# Altium PCB AD-FMComms3_revA.PcbDoc (part 5 of 5) (continued)
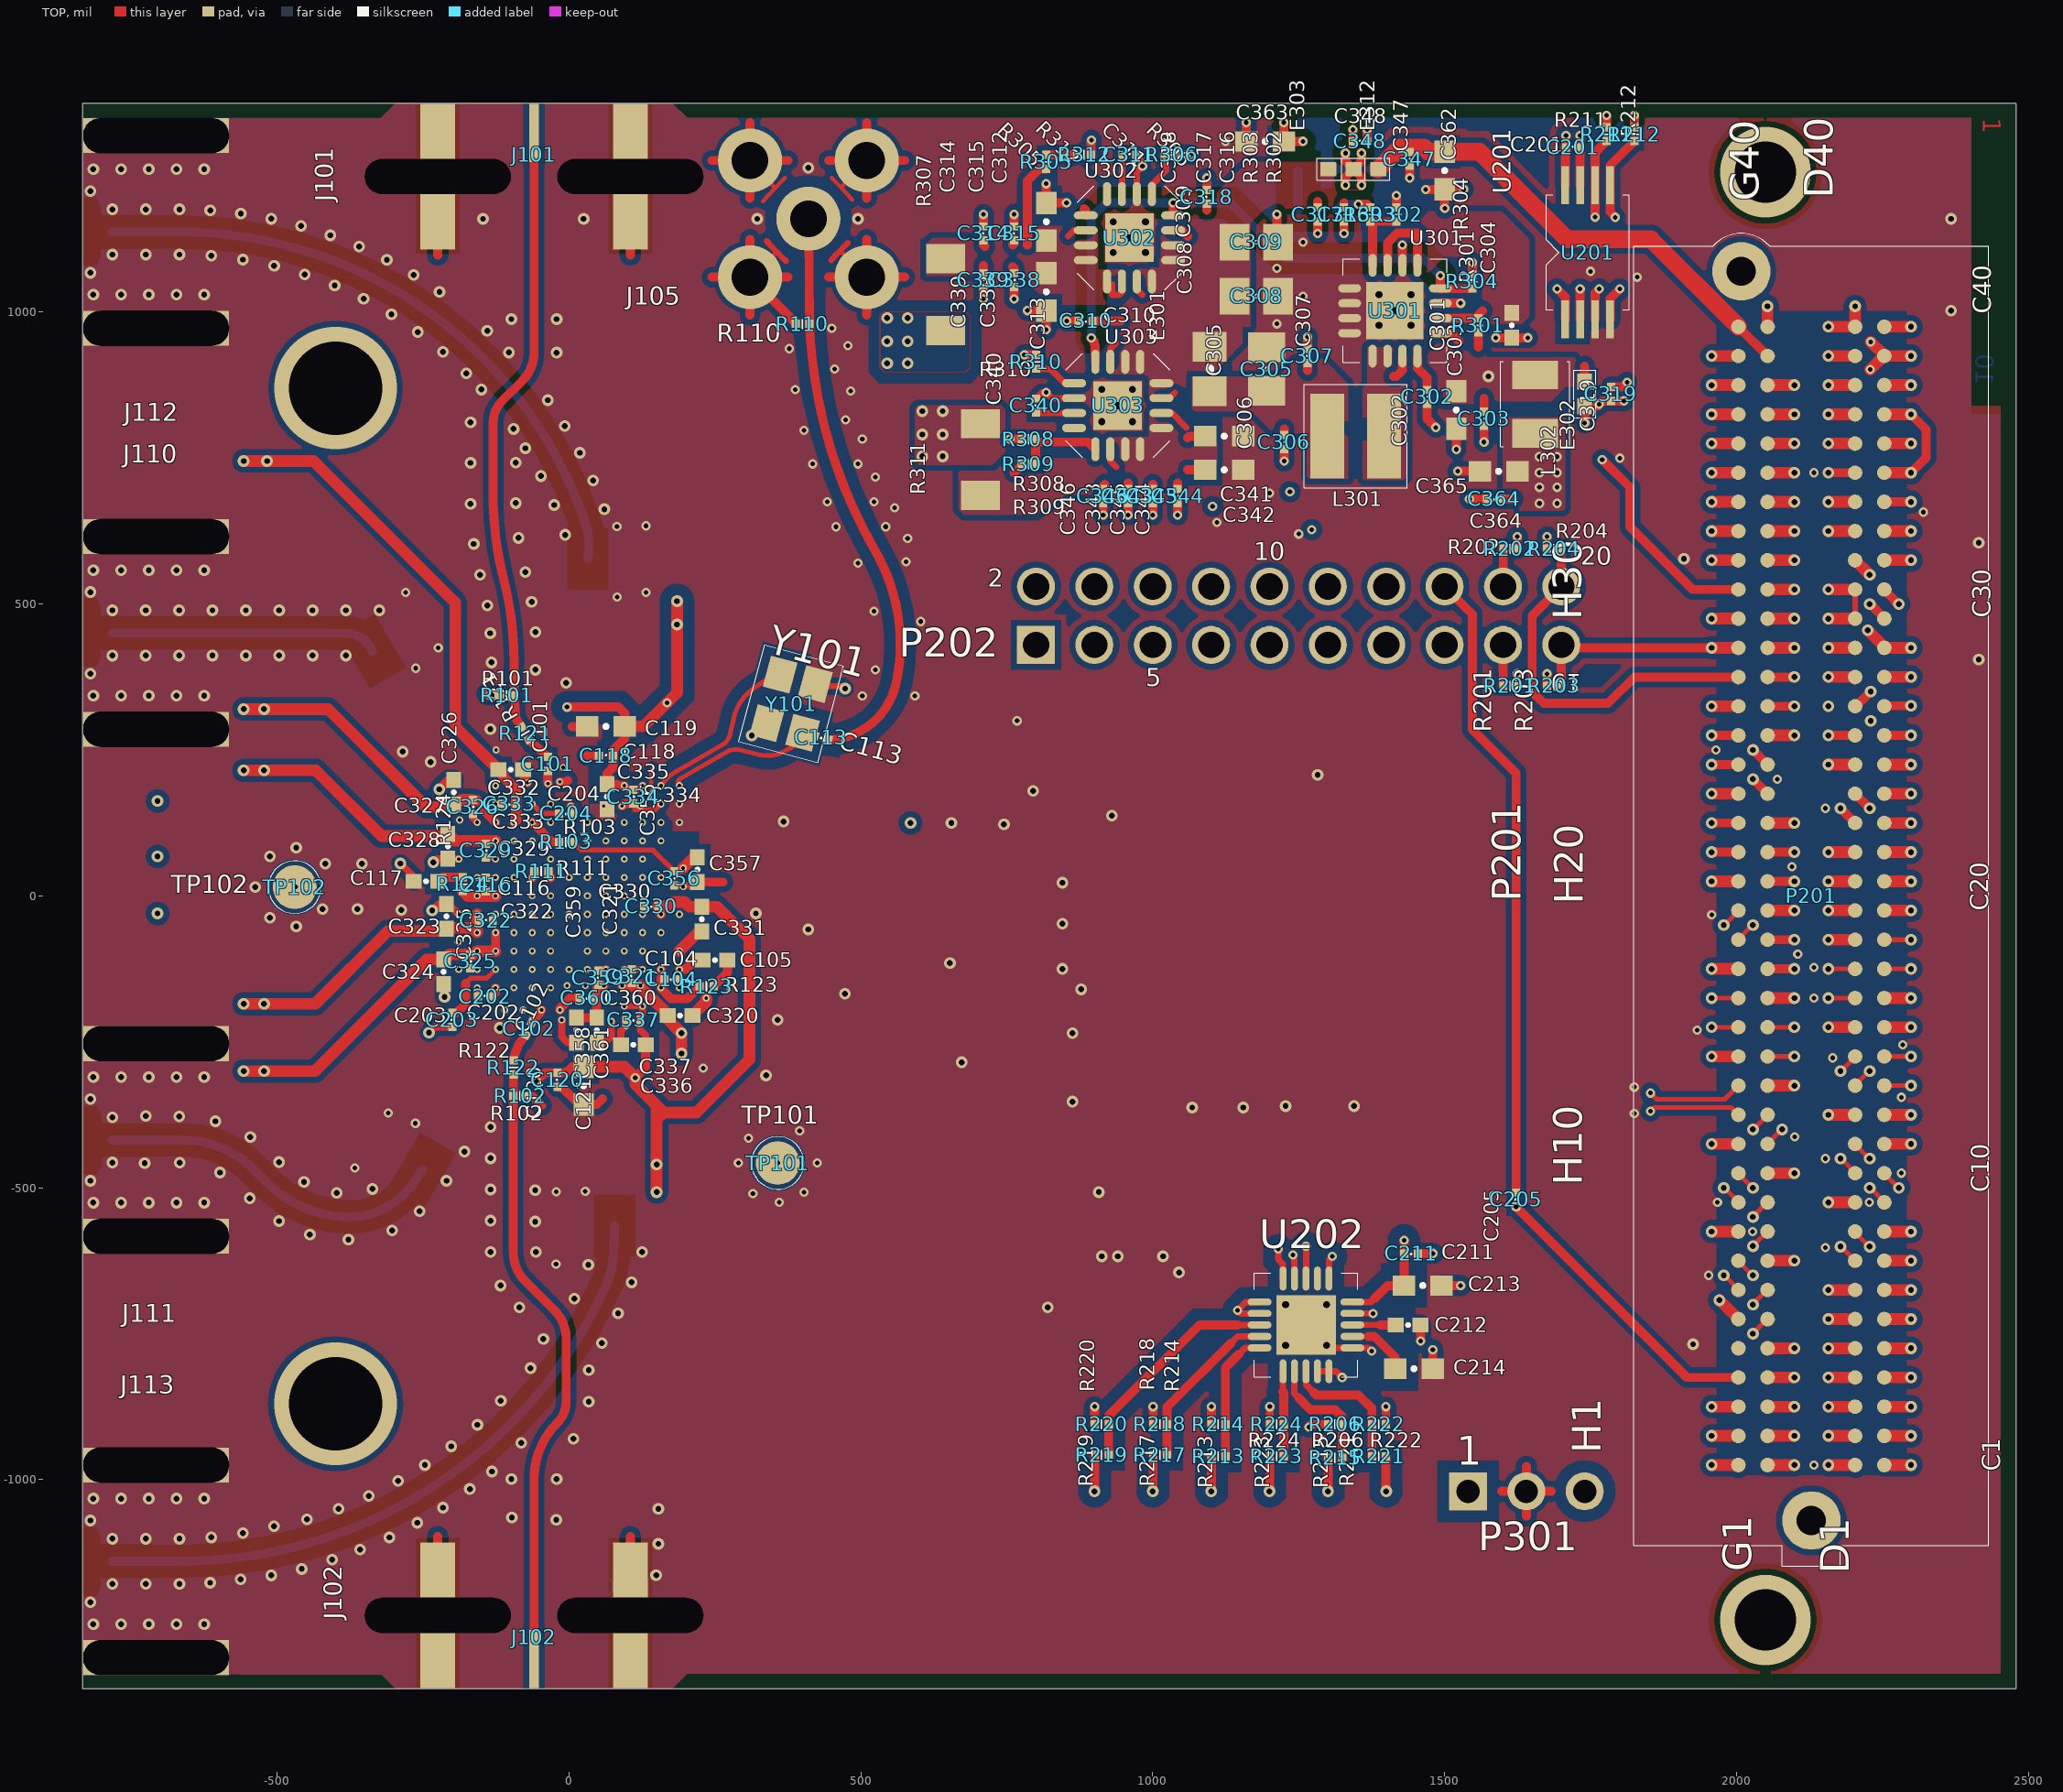
[diagram p0: TOP view]
## Other copper (continued)
  pour cut-out: 2390.02,857.86 2390.02,1285.36 2347.86,1327.52 1982.03,1327.52 1981.23,1329.85 1981.18,1330.02 1981.15,1330.19 1981.13,1330.36 1981.12,1330.54 1981.13,1330.71 1981.16,1330.88 1981.2,1331.05 1981.25,1331.22 1981.32,1331.38 1981.41,1331.53 1981.5,1331.68 1981.61,1331.81 1981.73,1331.94 1981.86,1332.05 1982,1332.16 1982.15,1332.25 1982.31,1332.33 1982.47,1332.39 1982.64,1332.44 1982.81,1332.48 1982.84,1332.48 2402.48,1332.48 2402.48,854.63 2402.43,854.28 2402.35,853.94 2402.24,853.61 2402.1,853.29 2401.94,852.98 2401.75,852.69 2401.53,852.42 2401.29,852.16 2401.03,851.93 2400.75,851.72 2400.45,851.54 2400.14,851.38 2399.82,851.25 2399.48,851.15 2399.14,851.08 2398.8,851.04 2398.45,851.03 2398.1,851.05 2397.75,851.1 2397.41,851.18 2397.08,851.29 2396.76,851.43 2396.45,851.59 2396.16,851.78 2395.89,852 2395.67,852.2 2390.02,857.86
  pour cut-out: 1838.84,1327.52 1838.84,1329.97 1839.03,1330.37 1839.41,1331.24 1839.9,1332.48 1980.33,1332.48 1981.25,1329.79 1980.12,1328.92 1978.35,1327.52 1838.84,1327.52
  pour cut-out net GND_POWER: 1580.87,-1020 1579.48,-1009.42 1575.39,-999.57 1568.9,-991.1 1560.43,-984.61 1550.58,-980.52 1540,-979.13 1529.42,-980.52 1519.57,-984.61 1511.1,-991.1 1504.61,-999.57 1500.52,-1009.42 1499.13,-1020 1500.52,-1030.58 1504.61,-1040.43 1511.1,-1048.9 1519.57,-1055.39 1529.42,-1059.48 1540,-1060.87 1550.58,-1059.48 1560.43,-1055.39 1568.9,-1048.9 1575.39,-1040.43 1579.48,-1030.58 1580.87,-1020
  region net GND_POWER: 1701 vertices and 0 holes, not listed, extent -212.48,-1332.5 2452.5,1332.5
  text "8" at 2422.03,984.48 h31 r270
L9_GND:
  pour cut-out net GND_POWER: 2066.57,1070 2065.45,1081.37 2062.13,1092.31 2056.75,1102.39 2049.49,1111.22 2040.66,1118.48 2030.58,1123.86 2019.64,1127.18 2008.27,1128.3 1996.9,1127.18 1985.96,1123.86 1979.24,1120.27 1975.88,1118.48 1967.05,1111.22 1959.79,1102.39 1954.41,1092.31 1951.09,1081.37 1949.97,1070 1951.09,1058.63 1954.41,1047.69 1959.79,1037.61 1967.05,1028.78 1975.88,1021.52 1979.24,1019.73 1985.96,1016.14 1996.9,1012.82 2008.27,1011.7 2019.64,1012.82 2030.58,1016.14 2040.66,1021.52 2049.49,1028.78 2056.75,1037.61 2062.13,1047.69 2065.45,1058.63 2066.57,1070
  pour cut-out net GND_POWER: 2186.57,-1070 2185.45,-1058.63 2182.13,-1047.69 2176.75,-1037.61 2169.49,-1028.78 2160.66,-1021.52 2150.58,-1016.14 2139.64,-1012.82 2128.27,-1011.7 2116.9,-1012.82 2105.96,-1016.14 2099.24,-1019.73 2095.88,-1021.52 2087.05,-1028.78 2079.79,-1037.61 2074.41,-1047.69 2071.09,-1058.63 2069.97,-1070 2071.09,-1081.37 2074.41,-1092.31 2079.79,-1102.39 2087.05,-1111.22 2095.88,-1118.48 2099.24,-1120.27 2105.96,-1123.86 2116.9,-1127.18 2128.27,-1128.3 2139.64,-1127.18 2150.58,-1123.86 2160.66,-1118.48 2169.49,-1111.22 2176.75,-1102.39 2182.13,-1092.31 2185.45,-1081.37 2186.57,-1070
  pour cut-out net GND_POWER: 1780.87,-1020 1779.48,-1009.42 1775.39,-999.57 1768.9,-991.1 1760.43,-984.61 1750.58,-980.52 1740,-979.13 1729.42,-980.52 1719.57,-984.61 1711.1,-991.1 1704.61,-999.57 1700.52,-1009.42 1699.13,-1020 1700.52,-1030.58 1704.61,-1040.43 1711.1,-1048.9 1719.57,-1055.39 1729.42,-1059.48 1740,-1060.87 1750.58,-1059.48 1760.43,-1055.39 1768.9,-1048.9 1775.39,-1040.43 1779.48,-1030.58 1780.87,-1020
  pour cut-out net GND_POWER: 1640.87,530 1639.48,540.58 1635.39,550.43 1628.9,558.9 1620.43,565.39 1610.58,569.48 1600,570.87 1589.42,569.48 1579.57,565.39 1571.1,558.9 1564.61,550.43 1560.52,540.58 1559.13,530 1560.52,519.42 1564.61,509.57 1571.1,501.1 1579.57,494.61 1589.42,490.52 1600,489.13 1610.58,490.52 1620.43,494.61 1628.9,501.1 1635.39,509.57 1639.48,519.42 1640.87,530
  pour cut-out net GND_POWER: 1740.87,530 1739.48,540.58 1735.39,550.43 1728.9,558.9 1720.43,565.39 1710.58,569.48 1700,570.87 1689.42,569.48 1679.57,565.39 1671.1,558.9 1664.61,550.43 1660.52,540.58 1659.13,530 1660.52,519.42 1664.61,509.57 1671.1,501.1 1679.57,494.61 1689.42,490.52 1700,489.13 1710.58,490.52 1720.43,494.61 1728.9,501.1 1735.39,509.57 1739.48,519.42 1740.87,530
  pour cut-out net GND_POWER: 1640.87,430 1639.48,440.58 1635.39,450.43 1628.9,458.9 1620.43,465.39 1610.58,469.48 1600,470.87 1589.42,469.48 1579.57,465.39 1571.1,458.9 1564.61,450.43 1560.52,440.58 1559.13,430 1560.52,419.42 1564.61,409.57 1571.1,401.1 1579.57,394.61 1589.42,390.52 1600,389.13 1610.58,390.52 1620.43,394.61 1628.9,401.1 1635.39,409.57 1639.48,419.42 1640.87,430
  pour cut-out net GND_POWER: 1740.87,430 1739.48,440.58 1735.39,450.43 1728.9,458.9 1720.43,465.39 1710.58,469.48 1700,470.87 1689.42,469.48 1679.57,465.39 1671.1,458.9 1664.61,450.43 1660.52,440.58 1659.13,430 1660.52,419.42 1664.61,409.57 1671.1,401.1 1679.57,394.61 1689.42,390.52 1700,389.13 1710.58,390.52 1720.43,394.61 1728.9,401.1 1735.39,409.57 1739.48,419.42 1740.87,430
  pour cut-out net GND_POWER: 1580.87,-1020 1579.48,-1009.42 1575.39,-999.57 1568.9,-991.1 1560.43,-984.61 1550.58,-980.52 1540,-979.13 1529.42,-980.52 1519.57,-984.61 1511.1,-991.1 1504.61,-999.57 1500.52,-1009.42 1499.13,-1020 1500.52,-1030.58 1504.61,-1040.43 1511.1,-1048.9 1519.57,-1055.39 1529.42,-1059.48 1540,-1060.87 1550.58,-1059.48 1560.43,-1055.39 1568.9,-1048.9 1575.39,-1040.43 1579.48,-1030.58 1580.87,-1020
  pour cut-out net GND_POWER: 1680.87,-1020 1679.48,-1009.42 1675.39,-999.57 1668.9,-991.1 1660.43,-984.61 1650.58,-980.52 1640,-979.13 1629.42,-980.52 1619.57,-984.61 1611.1,-991.1 1604.61,-999.57 1600.52,-1009.42 1599.13,-1020 1600.52,-1030.58 1604.61,-1040.43 1611.1,-1048.9 1619.57,-1055.39 1629.42,-1059.48 1640,-1060.87 1650.58,-1059.48 1660.43,-1055.39 1668.9,-1048.9 1675.39,-1040.43 1679.48,-1030.58 1680.87,-1020
  pour cut-out net GND_POWER: 1340.87,530 1339.48,540.58 1335.39,550.43 1328.9,558.9 1320.43,565.39 1310.58,569.48 1300,570.87 1289.42,569.48 1279.57,565.39 1271.1,558.9 1264.61,550.43 1260.52,540.58 1259.13,530 1260.52,519.42 1264.61,509.57 1271.1,501.1 1279.57,494.61 1289.42,490.52 1300,489.13 1310.58,490.52 1320.43,494.61 1328.9,501.1 1335.39,509.57 1339.48,519.42 1340.87,530
  pour cut-out net GND_POWER: 1440.87,530 1439.48,540.58 1435.39,550.43 1428.9,558.9 1420.43,565.39 1410.58,569.48 1400,570.87 1389.42,569.48 1379.57,565.39 1371.1,558.9 1364.61,550.43 1360.52,540.58 1359.13,530 1360.52,519.42 1364.61,509.57 1371.1,501.1 1379.57,494.61 1389.42,490.52 1400,489.13 1410.58,490.52 1420.43,494.61 1428.9,501.1 1435.39,509.57 1439.48,519.42 1440.87,530
  pour cut-out net GND_POWER: 1540.87,530 1539.48,540.58 1535.39,550.43 1528.9,558.9 1520.43,565.39 1510.58,569.48 1500,570.87 1489.42,569.48 1479.57,565.39 1471.1,558.9 1464.61,550.43 1460.52,540.58 1459.13,530 1460.52,519.42 1464.61,509.57 1471.1,501.1 1479.57,494.61 1489.42,490.52 1500,489.13 1510.58,490.52 1520.43,494.61 1528.9,501.1 1535.39,509.57 1539.48,519.42 1540.87,530
  pour cut-out net GND_POWER: 1340.87,430 1339.48,440.58 1335.39,450.43 1328.9,458.9 1320.43,465.39 1310.58,469.48 1300,470.87 1289.42,469.48 1279.57,465.39 1271.1,458.9 1264.61,450.43 1260.52,440.58 1259.13,430 1260.52,419.42 1264.61,409.57 1271.1,401.1 1279.57,394.61 1289.42,390.52 1300,389.13 1310.58,390.52 1320.43,394.61 1328.9,401.1 1335.39,409.57 1339.48,419.42 1340.87,430
  pour cut-out net GND_POWER: 1440.87,430 1439.48,440.58 1435.39,450.43 1428.9,458.9 1420.43,465.39 1410.58,469.48 1400,470.87 1389.42,469.48 1379.57,465.39 1371.1,458.9 1364.61,450.43 1360.52,440.58 1359.13,430 1360.52,419.42 1364.61,409.57 1371.1,401.1 1379.57,394.61 1389.42,390.52 1400,389.13 1410.58,390.52 1420.43,394.61 1428.9,401.1 1435.39,409.57 1439.48,419.42 1440.87,430
  pour cut-out net GND_POWER: 1540.87,430 1539.48,440.58 1535.39,450.43 1528.9,458.9 1520.43,465.39 1510.58,469.48 1500,470.87 1489.42,469.48 1479.57,465.39 1471.1,458.9 1464.61,450.43 1460.52,440.58 1459.13,430 1460.52,419.42 1464.61,409.57 1471.1,401.1 1479.57,394.61 1489.42,390.52 1500,389.13 1510.58,390.52 1520.43,394.61 1528.9,401.1 1535.39,409.57 1539.48,419.42 1540.87,430
  pour cut-out net GND_POWER: 1140.87,530 1139.48,540.58 1135.39,550.43 1128.9,558.9 1120.43,565.39 1110.58,569.48 1100,570.87 1089.42,569.48 1079.57,565.39 1071.1,558.9 1064.61,550.43 1060.52,540.58 1059.13,530 1060.52,519.42 1064.61,509.57 1071.1,501.1 1079.57,494.61 1089.42,490.52 1100,489.13 1110.58,490.52 1120.43,494.61 1128.9,501.1 1135.39,509.57 1139.48,519.42 1140.87,530
  pour cut-out net GND_POWER: 1240.87,530 1239.48,540.58 1235.39,550.43 1228.9,558.9 1220.43,565.39 1210.58,569.48 1200,570.87 1189.42,569.48 1179.57,565.39 1171.1,558.9 1164.61,550.43 1160.52,540.58 1159.13,530 1160.52,519.42 1164.61,509.57 1171.1,501.1 1179.57,494.61 1189.42,490.52 1200,489.13 1210.58,490.52 1220.43,494.61 1228.9,501.1 1235.39,509.57 1239.48,519.42 1240.87,530
  pour cut-out net GND_POWER: 1140.87,430 1139.48,440.58 1135.39,450.43 1128.9,458.9 1120.43,465.39 1110.58,469.48 1100,470.87 1089.42,469.48 1079.57,465.39 1071.1,458.9 1064.61,450.43 1060.52,440.58 1059.13,430 1060.52,419.42 1064.61,409.57 1071.1,401.1 1079.57,394.61 1089.42,390.52 1100,389.13 1110.58,390.52 1120.43,394.61 1128.9,401.1 1135.39,409.57 1139.48,419.42 1140.87,430
  pour cut-out net GND_POWER: 1240.87,430 1239.48,440.58 1235.39,450.43 1228.9,458.9 1220.43,465.39 1210.58,469.48 1200,470.87 1189.42,469.48 1179.57,465.39 1171.1,458.9 1164.61,450.43 1160.52,440.58 1159.13,430 1160.52,419.42 1164.61,409.57 1171.1,401.1 1179.57,394.61 1189.42,390.52 1200,389.13 1210.58,390.52 1220.43,394.61 1228.9,401.1 1235.39,409.57 1239.48,419.42 1240.87,430
  pour cut-out net GND_POWER: 940.87,530 939.48,540.58 935.39,550.43 928.9,558.9 920.43,565.39 910.58,569.48 900,570.87 889.42,569.48 879.57,565.39 871.1,558.9 864.61,550.43 860.52,540.58 859.13,530 860.52,519.42 864.61,509.57 871.1,501.1 879.57,494.61 889.42,490.52 900,489.13 910.58,490.52 920.43,494.61 928.9,501.1 935.39,509.57 939.48,519.42 940.87,530
  pour cut-out net GND_POWER: 1040.87,530 1039.48,540.58 1035.39,550.43 1028.9,558.9 1020.43,565.39 1010.58,569.48 1000,570.87 989.42,569.48 979.57,565.39 971.1,558.9 964.61,550.43 960.52,540.58 959.13,530 960.52,519.42 964.61,509.57 971.1,501.1 979.57,494.61 989.42,490.52 1000,489.13 1010.58,490.52 1020.43,494.61 1028.9,501.1 1035.39,509.57 1039.48,519.42 1040.87,530
  pour cut-out net GND_POWER: 940.87,430 939.48,440.58 935.39,450.43 928.9,458.9 920.43,465.39 910.58,469.48 900,470.87 889.42,469.48 879.57,465.39 871.1,458.9 864.61,450.43 860.52,440.58 859.13,430 860.52,419.42 864.61,409.57 871.1,401.1 879.57,394.61 889.42,390.52 900,389.13 910.58,390.52 920.43,394.61 928.9,401.1 935.39,409.57 939.48,419.42 940.87,430
  pour cut-out net GND_POWER: 1040.87,430 1039.48,440.58 1035.39,450.43 1028.9,458.9 1020.43,465.39 1010.58,469.48 1000,470.87 989.42,469.48 979.57,465.39 971.1,458.9 964.61,450.43 960.52,440.58 959.13,430 960.52,419.42 964.61,409.57 971.1,401.1 979.57,394.61 989.42,390.52 1000,389.13 1010.58,390.52 1020.43,394.61 1028.9,401.1 1035.39,409.57 1039.48,419.42 1040.87,430
  pour cut-out net GND_POWER: 840.87,530 839.48,540.58 835.39,550.43 828.9,558.9 820.43,565.39 810.58,569.48 800,570.87 789.42,569.48 779.57,565.39 771.1,558.9 764.61,550.43 760.52,540.58 759.13,530 760.52,519.42 764.61,509.57 771.1,501.1 779.57,494.61 789.42,490.52 800,489.13 810.58,490.52 820.43,494.61 828.9,501.1 835.39,509.57 839.48,519.42 840.87,530
  pour cut-out net GND_POWER: 840.87,430 839.48,440.58 835.39,450.43 828.9,458.9 820.43,465.39 810.58,469.48 800,470.87 789.42,469.48 779.57,465.39 771.1,458.9 764.61,450.43 760.52,440.58 759.13,430 760.52,419.42 764.61,409.57 771.1,401.1 779.57,394.61 789.42,390.52 800,389.13 810.58,390.52 820.43,394.61 828.9,401.1 835.39,409.57 839.48,419.42 840.87,430
  region net GND_POWER: 737 vertices and 0 holes, not listed, extent -833.07,-1357.5 2452.5,1357.5
  text "9" at 2422.03,934.48 h31 r270
BOTTOM:
  drawing of 32 lines, arcs and shapes, not listed
  text "10" at 2409.63,874.48 h31 r270
  text "FMCOMMSFMC03A" at 366.7,-1198.9 h31
  text "08-037515 REV A" at 340.6,-1257.6 h31

## Silkscreen, mask and mechanical layers (free items; w line width, h text height)
DESIGN_OUTLINE:
  drawing of 855 lines, arcs and shapes, not listed
  text "4" at -3572.5,6130 h250
  text "4" at -3572.5,6130 h250
  text "3" at 1927.5,6130 h250
  text "3" at 1927.5,6130 h250
  text "2" at 7427.5,6130 h250
  text "2" at 7427.5,6130 h250
  text "1" at 12927.5,6130 h250
  text "1" at 12927.5,6130 h250
  text "REVISIONS" at 9817.5,5855 h100
  text "REVISIONS" at 9817.5,5855 h100
  text "REV" at 7207.5,5605 h100
  text "REV" at 7207.5,5605 h100
  text "DESCRIPTION" at 9737.5,5605 h100
  text "DESCRIPTION" at 9737.5,5605 h100
  text "DATE" at 13117.5,5605 h100
  text "DATE" at 13117.5,5605 h100
  text "APPROVED" at 14207.5,5605 h100
  text "APPROVED" at 14207.5,5605 h100
  text "A" at 7287.5,5355 h100
  text "A" at 7287.5,5355 h100
  text "INITIAL RELEASE/WIDEBAND BALUN" at 8977.5,5355 h100
  text "INITIAL RELEASE/WIDEBAND BALUN" at 8977.5,5355 h100
  text "OCT-2013" at 12957.5,5355 h100
  text "OCT-2013" at 12957.5,5355 h100
  text "W. TAYLOR" at 14167.5,5355 h100
  text "W. TAYLOR" at 14167.5,5355 h100
  text "D" at -6022.5,4280 h250
  text "D" at -6022.5,4280 h250
  text "D" at 15377.5,4280 h250
  text "D" at 15377.5,4280 h250
  text "C" at -6022.5,30 h250
  text "C" at -6022.5,30 h250
  text "C" at 15377.5,30 h250
  text "C" at 15377.5,30 h250
  text "B" at -6022.5,-4220 h250
  text "B" at -6022.5,-4220 h250
  text "B" at 15377.5,-4220 h250
  text "B" at 15377.5,-4220 h250
  text "PRIMARY SIDE" at 7052.5,-6895 h200
  text "PRIMARY SIDE" at 7052.5,-6895 h200
  text "UNLESS OTHERWISE SPECIFIED" at 7127.5,-7145 h63
  text "UNLESS OTHERWISE SPECIFIED" at 7127.5,-7145 h63
  text "APPROVAL" at 9202.5,-7145 h80
  text "APPROVAL" at 9202.5,-7145 h80
  text "DATE" at 10327.5,-7145 h80
  text "DATE" at 10327.5,-7145 h80
  text "WWM" at 14157.5,-7170 h100
  text "WWM" at 14157.5,-7170 h100
  text "DIMENSIONS ARE IN INCHES" at 7202.5,-7270 h63
  text "DIMENSIONS ARE IN INCHES" at 7202.5,-7270 h63
  text "TEMPLATE ENGINEER" at 8877.5,-7310 h50
  text "TEMPLATE ENGINEER" at 8877.5,-7310 h50
  text "DIVISION" at 13957.5,-7320 h100
  text "DIVISION" at 13957.5,-7320 h100
  text "TOLERANCES" at 7677.5,-7420 h50
  text "TOLERANCES" at 7677.5,-7420 h50
  text "G CELEDONIO" at 8877.5,-7430 h80
  text "G CELEDONIO" at 8877.5,-7430 h80
  text "804 WOBURN STREET" at 13733.5,-7470 h80
  text "804 WOBURN STREET" at 13733.5,-7470 h80
  text "HARDWARE SERVICES" at 8877.5,-7560 h50
  text "HARDWARE SERVICES" at 8877.5,-7560 h50
  text "DECIMALS" at 7177.5,-7570 h50
  text "DECIMALS" at 7177.5,-7570 h50
  text "FRACTIONS" at 7777.5,-7570 h50
  text "FRACTIONS" at 7777.5,-7570 h50
  text "ANGLES" at 8402.5,-7570 h50
  text "ANGLES" at 8402.5,-7570 h50
  text "WILMINGTON, MA 01887" at 13637.5,-7620 h80
  text "WILMINGTON, MA 01887" at 13637.5,-7620 h80
  text "R MACDONALD" at 8877.5,-7680 h80
  text "R MACDONALD" at 8877.5,-7680 h80
  text ".XX +-.010" at 7177.5,-7695 h50
  text ".XX +-.010" at 7177.5,-7695 h50
  text "+-1/32" at 7877.5,-7695 h50
  text "+-1/32" at 7877.5,-7695 h50
  text "+-" at 8402.5,-7695 h50
  text "+-" at 8402.5,-7695 h50
  text "2" at 8552.5,-7695 h50
  text "2" at 8552.5,-7695 h50
  text ".XXX +-.005" at 7177.5,-7795 h50
  text ".XXX +-.005" at 7177.5,-7795 h50
  text "HARDWARE SYSTEMS" at 8877.5,-7810 h50
  text "HARDWARE SYSTEMS" at 8877.5,-7810 h50
  text ".XXXX +-.0050" at 7177.5,-7895 h50
  text ".XXXX +-.0050" at 7177.5,-7895 h50
  text "J KEANE" at 8877.5,-7930 h80
  text "J KEANE" at 8877.5,-7930 h80
  text "TITLE" at 10877.5,-7930 h80
  text "TITLE" at 10877.5,-7930 h80
  text "TEST ENGINEER" at 8877.5,-8060 h50
  text "TEST ENGINEER" at 8877.5,-8060 h50
  text "MATERIAL" at 7152.5,-8120 h80
  text "MATERIAL" at 7152.5,-8120 h80
  text "N/A" at 8877.5,-8180 h80
  text "N/A" at 8877.5,-8180 h80
  text "COMPONENT ENGINEER" at 8877.5,-8310 h50
  text "COMPONENT ENGINEER" at 8877.5,-8310 h50
  text "G CELEDONIO" at 8877.5,-8430 h80
  text "G CELEDONIO" at 8877.5,-8430 h80
  text "A" at -6022.5,-8470 h250
  text "A" at -6022.5,-8470 h250
  text "A" at 15377.5,-8470 h250
  text "A" at 15377.5,-8470 h250
  text "TEST PROCESS" at 8877.5,-8560 h50
  text "TEST PROCESS" at 8877.5,-8560 h50
  text "FMCOMMSX FMC BOARD" at 11673.9,-8670 h188
  text "FMCOMMSX FMC BOARD" at 11673.9,-8670 h188
  text "N/A" at 8877.5,-8680 h80
  text "N/A" at 8877.5,-8680 h80
  text "HARDWARE RELEASE" at 8877.5,-8810 h50
  text "HARDWARE RELEASE" at 8877.5,-8810 h50
  text "N/A" at 8877.5,-8930 h80
  text "N/A" at 8877.5,-8930 h80
  text "DESIGNER" at 8877.5,-9060 h50
  text "DESIGNER" at 8877.5,-9060 h50
  text "FINISH" at 7152.5,-9120 h80
  text "FINISH" at 7152.5,-9120 h80
  text "SIZE" at 10877.5,-9170 h80
  text "SIZE" at 10877.5,-9170 h80
  text "FSCM NO" at 11427.5,-9170 h80
  text "FSCM NO" at 11427.5,-9170 h80
  text "DRAWING NUMBER" at 12327.5,-9170 h80
  text "DRAWING NUMBER" at 12327.5,-9170 h80
  text "REV" at 14902.5,-9170 h80
  text "REV" at 14902.5,-9170 h80
  text "R PAMPOLINO" at 8877.5,-9180 h80
  text "R PAMPOLINO" at 8877.5,-9180 h80
  text "10SEP13" at 10167.5,-9180 h80
  text "10SEP13" at 10167.5,-9180 h80
  text "PTD ENGINEER" at 8877.5,-9310 h50
  text "PTD ENGINEER" at 8877.5,-9310 h50
  text "W TAYLOR" at 8877.5,-9430 h80
  text "W TAYLOR" at 8877.5,-9430 h80
  text "10SEP13" at 10167.5,-9430 h80
  text "10SEP13" at 10167.5,-9430 h80
  text "CHECKER" at 8877.5,-9560 h50
  text "CHECKER" at 8877.5,-9560 h50
  text "C" at 10952.5,-9570 h200
  text "C" at 10952.5,-9570 h200
  text "24355" at 11302.5,-9570 h200
  text "24355" at 11302.5,-9570 h200
  text "-037515" at 12892.5,-9570 h200
  text "-037515" at 12892.5,-9570 h200
  text "N/A" at 8877.5,-9680 h80
  text "N/A" at 8877.5,-9680 h80
  text "CUSTOMER EVALUATION BOARD" at -1322.5,-9832.5 h200
  text "CUSTOMER EVALUATION BOARD" at -1322.5,-9832.5 h200
  text "DO NOT SCALE DWG" at 7252.5,-9895 h80
  text "DO NOT SCALE DWG" at 7252.5,-9895 h80
  text "SCALE" at 10877.5,-9895 h80
  text "SCALE" at 10877.5,-9895 h80
  text "1/1" at 11627.5,-9895 h100
  text "1/1" at 11627.5,-9895 h100
  text "SHEET" at 13827.5,-9895 h80
  text "SHEET" at 13827.5,-9895 h80
  text "OF" at 14577.5,-9895 h80
  text "OF" at 14577.5,-9895 h80
  text "4" at -3572.5,-10320 h250
  text "4" at -3572.5,-10320 h250
  text "3" at 1927.5,-10320 h250
  text "3" at 1927.5,-10320 h250
  text "2" at 7427.5,-10320 h250
  text "2" at 7427.5,-10320 h250
  text "1" at 12927.5,-10320 h250
  text "1" at 12927.5,-10320 h250
NCLEGEND-1-10:
  circle w1: c-4888.57,-8420.52 r50
  circle w1: c-4888.57,-8139.52 r50
  lines w1: -5338.07,-8561.02 396.93,-8561.02 ; -5338.07,-8280.02 396.93,-8280.02 ; -5338.07,-7999.02 396.93,-7999.02 ; -5338.07,-7718.02 396.93,-7718.02 ; -5338.07,-7437.02 396.93,-7437.02 ; -5338.07,-7156.02 396.93,-7156.02 ; -5338.07,-6875.02 396.93,-6875.02 ; -5338.07,-6594.02 396.93,-6594.02 ; -5338.07,-6313.02 396.93,-6313.02 ; -5338.07,-6032.02 396.93,-6032.02 ; -5338.07,-5751.02 396.93,-5751.02 ; -5338.07,-5470.02 396.93,-5470.02 ; -5338.07,-5189.02 396.93,-5189.02 ; -5338.07,-4908.02 396.93,-4908.02 ; -4913.57,-6453.52 -4863.57,-6453.52 ; -4913.57,-6172.52 -4863.57,-6172.52 ; -4888.57,-6478.52 -4888.57,-6428.52 ; -4888.57,-6197.52 -4888.57,-6147.52 ; -4439.07,-8842.02 -4439.07,-5189.02 ; -3664.07,-8842.02 -3664.07,-5189.02 ; -2393.07,-8842.02 -2393.07,-5189.02 ; -1618.07,-8842.02 -1618.07,-5189.02 ; -5338.07,-8842.02 -5338.07,-4658.02 396.93,-4658.02 396.93,-8842.02 -5338.07,-8842.02 ; -4938.57,-8751.52 -4838.57,-8751.52 -4838.57,-8651.52 -4938.57,-8651.52 -4938.57,-8751.52 ; -4931.07,-7891.02 -4888.57,-7826.02 -4846.07,-7891.02 -4931.07,-7891.02 ; -4921.07,-7296.52 -4888.57,-7264.02 -4856.07,-7296.52 -4888.57,-7329.02 -4921.07,-7296.52 ; -4911.07,-7577.52 -4899.82,-7600.02 -4877.32,-7600.02 -4866.07,-7577.52 -4877.32,-7555.02 -4899.82,-7555.02 -4911.07,-7577.52 ; -4908.57,-7015.52 -4888.57,-6995.52 -4868.57,-7015.52 -4888.57,-7035.52 -4908.57,-7015.52 ; -4903.57,-6749.52 -4888.57,-6719.52 -4873.57,-6749.52 -4903.57,-6749.52 ; -4901.07,-5904.02 -4876.07,-5904.02 -4876.07,-5879.02 -4901.07,-5879.02 -4901.07,-5904.02 ; -4901.07,-5623.02 -4876.07,-5623.02 -4876.07,-5598.02 -4901.07,-5598.02 -4901.07,-5623.02
  text "FINISHED HOLES IN MILS" at -3570.57,-4845.52 h125
  text "ALL UNITS ARE IN MILS" at -3520.57,-5095.52 h125
  text "FIGURE" at -5188.57,-5376.52 h125
  text "SIZE" at -4251.57,-5376.52 h125
  text "PLATED" at -3328.57,-5376.52 h125
  text "QTY" at -2155.57,-5376.52 h125
  text "TOLERANCE/NOTES" at -1360.57,-5376.52 h125
  text "6.0" at -4201.57,-5673.02 h125
  text "PLATED" at -3328.57,-5673.02 h125
  text "135" at -2155.57,-5673.02 h125
  text "8.0" at -4201.57,-5954.02 h125
  text "PLATED" at -3328.57,-5954.02 h125
  text "198" at -2155.57,-5954.02 h125
  text "10.0" at -4251.57,-6235.02 h125
  text "PLATED" at -3328.57,-6235.02 h125
  text "458" at -2155.57,-6235.02 h125
  text "12.0" at -4251.57,-6516.02 h125
  text "PLATED" at -3328.57,-6516.02 h125
  text "19" at -2105.57,-6516.02 h125
  text "20.0" at -4251.57,-6797.02 h125
  text "PLATED" at -3328.57,-6797.02 h125
  text "108" at -2155.57,-6797.02 h125
  text "40.0" at -4251.57,-7078.02 h125
  text "PLATED" at -3328.57,-7078.02 h125
  text "3" at -2055.57,-7078.02 h125
  text "45.0" at -4251.57,-7359.02 h125
  text "PLATED" at -3328.57,-7359.02 h125
  text "1" at -2055.57,-7359.02 h125
  text "45.0" at -4251.57,-7640.02 h125
  text "PLATED" at -3328.57,-7640.02 h125
  text "19" at -2105.57,-7640.02 h125
  text "63.0" at -4251.57,-7921.02 h125
  text "PLATED" at -3328.57,-7921.02 h125
  text "5" at -2055.57,-7921.02 h125
  text "50.0" at -4251.57,-8202.02 h125
  text "NON-PLATED" at -3528.57,-8202.02 h125
  text "2" at -2055.57,-8202.02 h125
  text "105.0" at -4301.57,-8483.02 h125
  text "NON-PLATED" at -3528.57,-8483.02 h125
  text "2" at -2055.57,-8483.02 h125
  text "160.0" at -4301.57,-8764.02 h125
  text "NON-PLATED" at -3528.57,-8764.02 h125
  text "2" at -2055.57,-8764.02 h125
REVISION_BLOCK:
  lines w1: 8266.93,4996.98 15266.93,4996.98 ; 8266.93,4999.48 8266.93,5749.48 ; 8271.93,5259.48 15271.93,5259.48 ; 8766.93,4999.48 8766.93,5499.48 ; 13266.93,4999.48 13266.93,5499.48 ; 14266.93,4999.48 14266.93,5499.48
REVISION_DATA:
  text "11MAR13" at 13417.5,5362.5 h100
  text "J.D.B." at 14497.5,5362.5 h100
  text "05AUG13" at 13417.5,5052.5 h100
  text "J.D.B." at 14497.5,5052.5 h100
  text "B" at 8466.93,5049.48 h100
  text "MODIFIED POWER SECTION" at 10116.93,5049.48 h100
TITLE_DATA:
  text "R. REEDER" at 9536.93,-8643.02 h63
  text "11MAR13" at 10311.93,-8643.02 h63
DRAWING_ORIGIN:
  lines w1: -25,0 25,0 ; 0,-25 0,25
DSIZEM:
  drawing of 810 lines, arcs and shapes, not listed
  text "1" at -3552.5,6130 h250
  text "1" at -3552.5,6130 h250
  text "2" at 1947.5,6130 h250
  text "2" at 1947.5,6130 h250
  text "3" at 7447.5,6130 h250
  text "3" at 7447.5,6130 h250
  text "4" at 12947.5,6130 h250
  text "4" at 12947.5,6130 h250
  text "D" at -6002.5,4280 h250
  text "D" at -6002.5,4280 h250
  text "D" at 15397.5,4280 h250
  text "D" at 15397.5,4280 h250
  text "C" at -6002.5,30 h250
  text "C" at -6002.5,30 h250
  text "C" at 15397.5,30 h250
  text "C" at 15397.5,30 h250
  text "B" at -6002.5,-4220 h250
  text "B" at -6002.5,-4220 h250
  text "B" at 15397.5,-4220 h250
  text "B" at 15397.5,-4220 h250
  text "SECONDARY SIDE" at -1180,-8145 h200
  text "SECONDARY SIDE" at -1180,-8145 h200
  text "WWM" at -4822.5,-8420 h100
  text "WWM" at -4822.5,-8420 h100
  text "A" at -6002.5,-8470 h250
  text "A" at -6002.5,-8470 h250
  text "A" at 15397.5,-8470 h250
  text "A" at 15397.5,-8470 h250
  text "DIVISION" at -5022.5,-8570 h100
  text "DIVISION" at -5022.5,-8570 h100
  text "804 WOBURN STREET" at -5246.5,-8720 h80
  text "804 WOBURN STREET" at -5246.5,-8720 h80
  text "WILMINGTON, MA 01887" at -5342.5,-8870 h80
  text "WILMINGTON, MA 01887" at -5342.5,-8870 h80
  text "REV" at -5327.5,-9170 h80
  text "REV" at -5327.5,-9170 h80
  text "DRAWING NUMBER" at -2752.5,-9170 h80
  text "DRAWING NUMBER" at -2752.5,-9170 h80
  text "FSCM NO" at -1852.5,-9170 h80
  text "FSCM NO" at -1852.5,-9170 h80
  text "SIZE" at -1302.5,-9170 h80
  text "SIZE" at -1302.5,-9170 h80
  text "D" at -5532.5,-9570 h200
  text "D" at -5532.5,-9570 h200
  text "01-037246" at -4497.5,-9570 h200
  text "01-037246" at -4497.5,-9570 h200
  text "24355" at -1727.5,-9570 h200
  text "24355" at -1727.5,-9570 h200
  text "C" at -1377.5,-9570 h200
  text "C" at -1377.5,-9570 h200
  text "CUSTOMER EVALUATION BOARD" at 5047.5,-9832.5 h200
  text "CUSTOMER EVALUATION BOARD" at 5047.5,-9832.5 h200
  text "2" at -5342.5,-9895 h100
  text "2" at -5342.5,-9895 h100
  text "OF" at -5002.5,-9895 h80
  text "OF" at -5002.5,-9895 h80
  text "2" at -4867.5,-9895 h100
  text "2" at -4867.5,-9895 h100
  text "SHEET" at -4252.5,-9895 h80
  text "SHEET" at -4252.5,-9895 h80
  text "1/1" at -2052.5,-9895 h100
  text "1/1" at -2052.5,-9895 h100
  text "SCALE" at -1302.5,-9895 h80
  text "SCALE" at -1302.5,-9895 h80
  text "1" at -3552.5,-10320 h250
  text "1" at -3552.5,-10320 h250
  text "2" at 1947.5,-10320 h250
  text "2" at 1947.5,-10320 h250
  text "3" at 7447.5,-10320 h250
  text "3" at 7447.5,-10320 h250
  text "4" at 12947.5,-10320 h250
  text "4" at 12947.5,-10320 h250
DSIZE:
  text "FABRICATION" at 12200.3,-8145 h188
  text "FABRICATION" at 12200.3,-8145 h188
  text "09" at 12392.5,-9570 h200
  text "09" at 12392.5,-9570 h200
  text "A" at 14947.5,-9570 h200
  text "A" at 14947.5,-9570 h200
  text "1" at 14400,-9895 h100
  text "1" at 14400,-9895 h100
  text "1" at 14800,-9895 h100
  text "1" at 14800,-9895 h100
ASSY_D:
  text "ASSEMBLY" at 12425.9,-8145 h188
  text "ASSEMBLY" at 12425.9,-8145 h188
  text "01" at 12392.5,-9570 h200
  text "01" at 12392.5,-9570 h200
  text "D" at 14947.5,-9570 h200
  text "D" at 14947.5,-9570 h200
  text "1" at 14400,-9895 h100
  text "1" at 14400,-9895 h100
  text "2" at 14800,-9895 h100
  text "2" at 14800,-9895 h100
Mechanical 255:
  lines w1: -322.97,345.24 -196.44,418.29 -106.94,263.28 -233.47,190.23 -322.97,345.24 ; -314.28,-337.25 -187.75,-410.3 -98.26,-255.29 -224.79,-182.23 -314.28,-337.25 ; -91,-241 -47.74,-500.58 98.37,-500.57 150,-241 -91,-241 ; -40.01,254 200.99,254 157.73,513.58 11.62,513.57 -40.01,254

## Text inside footprints (layer, text, board x,y; h text height)
C101: PIN_NUMBER "2" at -46.25,214.24 h25 r270; PIN_NUMBER "1" at -46.25,238.26 h25 r270; PAD_STACK_NAME "14X14" at -260.26,218.65 h50 r270; PAD_STACK_NAME "C0201" at -39.24,215.24 h50 r270; DISPLAY_TOP "QA/XXX" at -110.63,81.25 h31; DISPLAY_TOP "14JAN09" at -123.05,341.26 h31; DISPLAY_TOP "10XXX09" at -123.05,41.26 h31; DISPLAY_TOP "ADI/DML" at -123.03,386.25 h31; ASSEMBLY_TOP "UPN" at -66.25,161.25 h25; ASSEMBLY_TOP "10" at -56.25,191.25 h25; ASSEMBLY_TOP "1000pF" at -96.24,236.46 h25
C102: PIN_NUMBER "2" at -73.68,-216.63 h25 r65; PIN_NUMBER "1" at -83.82,-238.37 h25 r65; PAD_STACK_NAME "14X14" at -53.15,-273.02 h50 r65; PAD_STACK_NAME "C0201" at -252.01,-176.54 h50 r65; DISPLAY_TOP "QA/XXX" at -81.88,-96.09 h31 r155; DISPLAY_TOP "14JAN09" at -204.14,-331.73 h31 r155; DISPLAY_TOP "10XXX09" at -77.37,-59.84 h31 r155; DISPLAY_TOP "ADI/DML" at -223.16,-372.51 h31 r155; ASSEMBLY_TOP "UPN" at -71.28,-168.59 h25 r155; ASSEMBLY_TOP "10" at -73.96,-195.78 h25 r155; ASSEMBLY_TOP "1000pF" at -133.06,-236.75 h25 r155
C104: PIN_NUMBER "1" at 177,-142.5 h25 r180; PIN_NUMBER "2" at 153,-142.5 h25 r180; PAD_STACK_NAME "14X14" at 67.4,-18.5 h50 r180; PAD_STACK_NAME "C0201" at 64,-239.5 h50 r180; DISPLAY_TOP "QA/XXX" at -44.4,-142.5 h31 r270; DISPLAY_TOP "14JAN09" at 203.2,-142.5 h31 r270; DISPLAY_TOP "10XXX09" at -96.8,-142.5 h31 r270; DISPLAY_TOP "ADI/DML" at 248.2,-142.5 h31 r270; ASSEMBLY_TOP "UPN" at 80,-142.5 h25 r270; ASSEMBLY_TOP "10" at 120,-142.5 h25 r270; ASSEMBLY_TOP "1000pF" at 125.2,-142.5 h25 r270
C105: PIN_NUMBER "2" at 218.75,-110 h25 r180; PIN_NUMBER "1" at 261.25,-110 h25 r180; PAD_STACK_NAME "C0402" at 155,-205 h50 r180; PAD_STACK_NAME "27.5x25x15" at 126,20 h31 r180; ASSEMBLY_TOP "1uF" at 215.67,-95.83 h25 r180; ASSEMBLY_TOP "10" at 225.28,-56.06 h25 r180; ASSEMBLY_TOP "UPN" at 219.21,-41.5 h25 r180
C106: PIN_NUMBER "2" at -175.93,261.92 h25 r120; PIN_NUMBER "1" at -187.93,282.7 h25 r120; ASSEMBLY_BOTTOM "UPN" at -169.43,216.02 h25 r30; ASSEMBLY_BOTTOM "5" at -164.43,242 h25 r30; ASSEMBLY_BOTTOM "18pF" at -217.03,281.14 h25 r30; PAD_STACK_NAME "14X14" at -160.74,327.73 h50 r120; PAD_STACK_NAME "C0201" at -350.43,214.28 h50 r120; DISPLAY_BOTTOM "QA/XXX" at -173.83,146.74 h31 r30; DISPLAY_BOTTOM "14JAN09" at -316.23,371.9 h31 r30; DISPLAY_BOTTOM "10XXX09" at -166.23,112.1 h31 r30; DISPLAY_BOTTOM "ADI/DML" at -338.73,410.87 h31 r30
C107: PIN_NUMBER "2" at -210.57,241.92 h25 r120; PIN_NUMBER "1" at -222.57,262.7 h25 r120; ASSEMBLY_BOTTOM "UPN" at -204.07,196.02 h25 r30; ASSEMBLY_BOTTOM "5" at -199.07,222 h25 r30; ASSEMBLY_BOTTOM "18pF" at -251.67,261.14 h25 r30; PAD_STACK_NAME "14X14" at -195.38,307.73 h50 r120; PAD_STACK_NAME "C0201" at -385.07,194.28 h50 r120; DISPLAY_BOTTOM "QA/XXX" at -208.47,126.74 h31 r30; DISPLAY_BOTTOM "14JAN09" at -350.87,351.9 h31 r30; DISPLAY_BOTTOM "10XXX09" at -200.87,92.1 h31 r30; DISPLAY_BOTTOM "ADI/DML" at -373.37,390.87 h31 r30
C108: PIN_NUMBER "2" at -210.57,-241.92 h25 r240; PIN_NUMBER "1" at -222.57,-262.7 h25 r240; ASSEMBLY_BOTTOM "UPN" at -204.07,-196.02 h25 r150; ASSEMBLY_BOTTOM "5" at -199.07,-222 h25 r150; ASSEMBLY_BOTTOM "18pF" at -251.67,-261.14 h25 r150; PAD_STACK_NAME "14X14" at -410.16,-183.73 h50 r240; PAD_STACK_NAME "C0201" at -217.07,-291.28 h50 r240; DISPLAY_BOTTOM "QA/XXX" at -208.47,-126.74 h31 r150; DISPLAY_BOTTOM "14JAN09" at -350.87,-351.9 h31 r150; DISPLAY_BOTTOM "10XXX09" at -200.87,-92.1 h31 r150; DISPLAY_BOTTOM "ADI/DML" at -373.37,-390.87 h31 r150
C109: PIN_NUMBER "2" at -175.93,-261.92 h25 r240; PIN_NUMBER "1" at -187.93,-282.7 h25 r240; ASSEMBLY_BOTTOM "UPN" at -169.43,-216.02 h25 r150; ASSEMBLY_BOTTOM "5" at -164.43,-242 h25 r150; ASSEMBLY_BOTTOM "18pF" at -217.03,-281.14 h25 r150; PAD_STACK_NAME "14X14" at -375.52,-203.73 h50 r240; PAD_STACK_NAME "C0201" at -182.43,-311.28 h50 r240; DISPLAY_BOTTOM "QA/XXX" at -173.83,-146.74 h31 r150; DISPLAY_BOTTOM "14JAN09" at -316.23,-371.9 h31 r150; DISPLAY_BOTTOM "10XXX09" at -166.23,-112.1 h31 r150; DISPLAY_BOTTOM "ADI/DML" at -338.73,-410.87 h31 r150
C113: PIN_NUMBER "2" at 410.62,274.5 h25 r165; PIN_NUMBER "1" at 433.8,268.28 h25 r165; PAD_STACK_NAME "14X14" at 356.96,393.13 h50 r165; PAD_STACK_NAME "C0201" at 296.48,180.54 h50 r165; DISPLAY_TOP "QA/XXX" at 217.75,308.92 h31 r255; DISPLAY_TOP "14JAN09" at 456.49,241.63 h31 r255; DISPLAY_TOP "10XXX09" at 166.71,319.27 h31 r255; DISPLAY_TOP "ADI/DML" at 499.96,229.98 h31 r255; ASSEMBLY_TOP "UPN" at 339.42,288.21 h25 r255; ASSEMBLY_TOP "10" at 378.4,280.45 h25 r255; ASSEMBLY_TOP "0.1uF" at 392.06,268.75 h25 r255
C116: PIN_NUMBER "2" at -152.5,31.29 h25 r90; PIN_NUMBER "1" at -152.5,7.27 h25 r90; PAD_STACK_NAME "14X14" at -118.49,26.88 h50 r90; PAD_STACK_NAME "C0201" at -339.5,30.28 h50 r90; DISPLAY_TOP "QA/XXX" at -216.9,164.28 h31 r180; DISPLAY_TOP "14JAN09" at -229.3,-95.72 h31 r180; DISPLAY_TOP "10XXX09" at -229.3,204.27 h31 r180; DISPLAY_TOP "ADI/DML" at -229.3,-140.72 h31 r180; ASSEMBLY_TOP "UPN" at -172.5,84.28 h25 r180; ASSEMBLY_TOP "10" at -162.5,54.28 h25 r180; ASSEMBLY_TOP "1000pF" at -202.5,9.08 h25 r180
C117: PIN_NUMBER "2" at -276.25,25 h25 r180; PIN_NUMBER "1" at -233.75,25 h25 r180; PAD_STACK_NAME "C0402" at -340,-70 h50 r180; PAD_STACK_NAME "27.5x25x15" at -369,155 h31 r180; ASSEMBLY_TOP "1uF" at -279.33,39.17 h25 r180; ASSEMBLY_TOP "10" at -269.72,78.94 h25 r180; ASSEMBLY_TOP "UPN" at -275.79,93.5 h25 r180
C118: PIN_NUMBER "1" at 41.25,240.26 h25; PIN_NUMBER "2" at 65.25,240.26 h25; PAD_STACK_NAME "14X14" at -29.15,116.26 h50; PAD_STACK_NAME "C0201" at -25.75,337.26 h50; DISPLAY_TOP "QA/XXX" at 133.85,240.26 h31 r90; DISPLAY_TOP "14JAN09" at -138.55,240.26 h31 r90; DISPLAY_TOP "10XXX09" at 161.45,240.26 h31 r90; DISPLAY_TOP "ADI/DML" at -183.55,240.26 h31 r90; ASSEMBLY_TOP "UPN" at 98.25,240.26 h25 r90; ASSEMBLY_TOP "10" at 78.25,240.26 h25 r90; ASSEMBLY_TOP "1000pF" at -6.95,240.26 h25 r90
C119: PIN_NUMBER "2" at 21,290.26 h25 r180; PIN_NUMBER "1" at 85.5,290.26 h25 r180; PAD_STACK_NAME "C0603a" at -51.75,195.26 h50 r180; PAD_STACK_NAME "38.5x35x26" at -36.75,420.26 h25 r180; ASSEMBLY_TOP "10UF" at 21.25,301.26 h25 r180; ASSEMBLY_TOP "20" at 113.25,290.26 h25 r270; ASSEMBLY_TOP "UPN" at -90.75,291.26 h25 r270
C120: PIN_NUMBER "1" at -30,-327 h25 r90; PIN_NUMBER "2" at -30,-303 h25 r90; PAD_STACK_NAME "14X14" at 4,-307.4 h50 r90; PAD_STACK_NAME "C0201" at -217,-304 h50 r90; DISPLAY_TOP "QA/XXX" at -94.4,-170 h31 r180; DISPLAY_TOP "14JAN09" at -106.8,-430 h31 r180; DISPLAY_TOP "10XXX09" at -106.8,-130 h31 r180; DISPLAY_TOP "ADI/DML" at -106.8,-475 h31 r180; ASSEMBLY_TOP "UPN" at -50,-250 h25 r180; ASSEMBLY_TOP "10" at -40,-280 h25 r180; ASSEMBLY_TOP "1000pF" at -80,-325.2 h25 r180
C121: PIN_NUMBER "2" at 15,-357.25 h25 r270; PIN_NUMBER "1" at 15,-292.75 h25 r270; PAD_STACK_NAME "C0603a" at 0,-320 h50 r270; PAD_STACK_NAME "38.5x35x26" at -205,-325 h25 r270; ASSEMBLY_TOP "10UF" at -26,-327 h25 r270; ASSEMBLY_TOP "20" at 5,-255 h25; ASSEMBLY_TOP "UPN" at -6,-449 h25
C122: PIN_NUMBER "1" at 91.82,355.76 h25 r270; PIN_NUMBER "2" at 91.82,379.76 h25 r270; ASSEMBLY_BOTTOM "UPN" at 71.82,432.76 h25 r180; ASSEMBLY_BOTTOM "5" at 91.82,402.76 h25 r180; ASSEMBLY_BOTTOM "18pF" at 61.82,357.56 h25 r180; PAD_STACK_NAME "14X14" at -122.18,375.36 h50 r270; PAD_STACK_NAME "C0201" at 98.82,378.76 h50 r270; DISPLAY_BOTTOM "QA/XXX" at 27.42,512.76 h31 r180; DISPLAY_BOTTOM "14JAN09" at 15.02,252.76 h31 r180; DISPLAY_BOTTOM "10XXX09" at 15.02,552.76 h31 r180; DISPLAY_BOTTOM "ADI/DML" at 15.02,207.76 h31 r180
C123: PIN_NUMBER "1" at 51.82,355.76 h25 r270; PIN_NUMBER "2" at 51.82,379.76 h25 r270; ASSEMBLY_BOTTOM "UPN" at 31.82,432.76 h25 r180; ASSEMBLY_BOTTOM "5" at 51.82,402.76 h25 r180; ASSEMBLY_BOTTOM "18pF" at 21.82,357.56 h25 r180; PAD_STACK_NAME "14X14" at -162.18,375.36 h50 r270; PAD_STACK_NAME "C0201" at 58.82,378.76 h50 r270; DISPLAY_BOTTOM "QA/XXX" at -12.58,512.76 h31 r180; DISPLAY_BOTTOM "14JAN09" at -24.98,252.76 h31 r180; DISPLAY_BOTTOM "10XXX09" at -24.98,552.76 h31 r180; DISPLAY_BOTTOM "ADI/DML" at -24.98,207.76 h31 r180
C124: PIN_NUMBER "1" at -1.83,-342.76 h25 r90; PIN_NUMBER "2" at -1.83,-366.76 h25 r90; ASSEMBLY_BOTTOM "UPN" at -21.83,-419.76 h25; ASSEMBLY_BOTTOM "5" at -1.83,-389.76 h25; ASSEMBLY_BOTTOM "18pF" at -31.83,-344.56 h25; PAD_STACK_NAME "14X14" at 32.17,-362.36 h50 r90; PAD_STACK_NAME "C0201" at -188.83,-365.76 h50 r90; DISPLAY_BOTTOM "QA/XXX" at -66.23,-499.76 h31; DISPLAY_BOTTOM "14JAN09" at -78.63,-239.76 h31; DISPLAY_BOTTOM "10XXX09" at -78.63,-539.76 h31; DISPLAY_BOTTOM "ADI/DML" at -78.63,-194.76 h31
C125: PIN_NUMBER "1" at 38.17,-342.76 h25 r90; PIN_NUMBER "2" at 38.17,-366.76 h25 r90; ASSEMBLY_BOTTOM "UPN" at 18.17,-419.76 h25; ASSEMBLY_BOTTOM "5" at 38.17,-389.76 h25; ASSEMBLY_BOTTOM "18pF" at 8.17,-344.56 h25; PAD_STACK_NAME "14X14" at 72.17,-362.36 h50 r90; PAD_STACK_NAME "C0201" at -148.83,-365.76 h50 r90; DISPLAY_BOTTOM "QA/XXX" at -26.23,-499.76 h31; DISPLAY_BOTTOM "14JAN09" at -38.63,-239.76 h31; DISPLAY_BOTTOM "10XXX09" at -38.63,-539.76 h31; DISPLAY_BOTTOM "ADI/DML" at -38.63,-194.76 h31
C201: PIN_NUMBER "2" at 1722,1282.5 h25; PIN_NUMBER "1" at 1698,1282.5 h25; PAD_STACK_NAME "14X14" at 1627.6,1158.5 h50; PAD_STACK_NAME "C0201" at 1631,1379.5 h50; DISPLAY_TOP "QA/XXX" at 1790.6,1282.5 h31 r90; DISPLAY_TOP "14JAN09" at 1518.2,1282.5 h31 r90; DISPLAY_TOP "10XXX09" at 1818.2,1282.5 h31 r90; DISPLAY_TOP "ADI/DML" at 1473.2,1282.5 h31 r90; ASSEMBLY_TOP "UPN" at 1755,1282.5 h25 r90; ASSEMBLY_TOP "10" at 1735,1282.5 h25 r90; ASSEMBLY_TOP "0.1uF" at 1659.8,1282.5 h25 r90
C202: PIN_NUMBER "1" at -166.25,-172.25 h25; PIN_NUMBER "2" at -142.25,-172.25 h25; PAD_STACK_NAME "14X14" at -236.65,-296.25 h50; PAD_STACK_NAME "C0201" at -233.25,-75.25 h50; DISPLAY_TOP "QA/XXX" at -73.65,-172.25 h31 r90; DISPLAY_TOP "14JAN09" at -346.05,-172.25 h31 r90; DISPLAY_TOP "10XXX09" at -46.05,-172.25 h31 r90; DISPLAY_TOP "ADI/DML" at -391.05,-172.25 h31 r90; ASSEMBLY_TOP "UPN" at -109.25,-172.25 h25 r90; ASSEMBLY_TOP "10" at -129.25,-172.25 h25 r90; ASSEMBLY_TOP "0.1uF" at -204.45,-172.25 h25 r90
C203: PIN_NUMBER "1" at -210,-224.5 h25 r90; PIN_NUMBER "2" at -210,-200.5 h25 r90; PAD_STACK_NAME "14X14" at -176,-204.9 h50 r90; PAD_STACK_NAME "C0201" at -397,-201.5 h50 r90; DISPLAY_TOP "QA/XXX" at -274.4,-67.5 h31 r180; DISPLAY_TOP "14JAN09" at -286.8,-327.5 h31 r180; DISPLAY_TOP "10XXX09" at -286.8,-27.5 h31 r180; DISPLAY_TOP "ADI/DML" at -286.8,-372.5 h31 r180; ASSEMBLY_TOP "UPN" at -230,-147.5 h25 r180; ASSEMBLY_TOP "10" at -220,-177.5 h25 r180; ASSEMBLY_TOP "0.1uF" at -250,-222.7 h25 r180
C204: PIN_NUMBER "1" at -3,141.25 h25 r180; PIN_NUMBER "2" at -27,141.25 h25 r180; PAD_STACK_NAME "14X14" at -112.6,265.25 h50 r180; PAD_STACK_NAME "C0201" at -116,44.25 h50 r180; DISPLAY_TOP "QA/XXX" at -224.4,141.25 h31 r270; DISPLAY_TOP "14JAN09" at 23.2,141.25 h31 r270; DISPLAY_TOP "10XXX09" at -276.8,141.25 h31 r270; DISPLAY_TOP "ADI/DML" at 68.2,141.25 h31 r270; ASSEMBLY_TOP "UPN" at -100,141.25 h25 r270; ASSEMBLY_TOP "10" at -60,141.25 h25 r270; ASSEMBLY_TOP "0.1uF" at -44.8,141.25 h25 r270
C205: PIN_NUMBER "1" at 1612.5,-532 h25 r90; PIN_NUMBER "2" at 1612.5,-508 h25 r90; PAD_STACK_NAME "14X14" at 1646.5,-512.4 h50 r90; PAD_STACK_NAME "C0201" at 1425.5,-509 h50 r90; DISPLAY_TOP "QA/XXX" at 1548.1,-375 h31 r180; DISPLAY_TOP "14JAN09" at 1535.7,-635 h31 r180; DISPLAY_TOP "10XXX09" at 1535.7,-335 h31 r180; DISPLAY_TOP "ADI/DML" at 1535.7,-680 h31 r180; ASSEMBLY_TOP "UPN" at 1592.5,-455 h25 r180; ASSEMBLY_TOP "10" at 1602.5,-485 h25 r180; ASSEMBLY_TOP "0.1uF" at 1572.5,-530.2 h25 r180
C211: PIN_NUMBER "1" at 1444.5,-612.5 h25 r180; PIN_NUMBER "2" at 1420.5,-612.5 h25 r180; PAD_STACK_NAME "14X14" at 1334.9,-488.5 h50 r180; PAD_STACK_NAME "C0201" at 1331.5,-709.5 h50 r180; DISPLAY_TOP "QA/XXX" at 1223.1,-612.5 h31 r270; DISPLAY_TOP "14JAN09" at 1470.7,-612.5 h31 r270; DISPLAY_TOP "10XXX09" at 1170.7,-612.5 h31 r270; DISPLAY_TOP "ADI/DML" at 1515.7,-612.5 h31 r270; ASSEMBLY_TOP "UPN" at 1347.5,-612.5 h25 r270; ASSEMBLY_TOP "10" at 1387.5,-612.5 h25 r270; ASSEMBLY_TOP "0.1uF" at 1402.7,-612.5 h25 r270
C212: PIN_NUMBER "2" at 1448.75,-735 h25; PIN_NUMBER "1" at 1406.25,-735 h25; PAD_STACK_NAME "C0402" at 1332.5,-640 h50; PAD_STACK_NAME "27.5x25x15" at 1313.5,-865 h31; ASSEMBLY_TOP "1uF" at 1411.83,-749.17 h25; ASSEMBLY_TOP "10" at 1422.22,-788.94 h25; ASSEMBLY_TOP "UPN" at 1408.29,-803.5 h25
C213: PIN_NUMBER "2" at 1484.75,-667.5 h25; PIN_NUMBER "1" at 1420.25,-667.5 h25; PAD_STACK_NAME "C0603a" at 1337.5,-572.5 h50; PAD_STACK_NAME "38.5x35x26" at 1362.5,-797.5 h25; ASSEMBLY_TOP "10UF" at 1424.5,-678.5 h25; ASSEMBLY_TOP "20" at 1372.5,-667.5 h25 r90; ASSEMBLY_TOP "UPN" at 1556.5,-668.5 h25 r90
C214: PIN_NUMBER "2" at 1469.75,-810 h25; PIN_NUMBER "1" at 1405.25,-810 h25; PAD_STACK_NAME "C0603a" at 1322.5,-715 h50; PAD_STACK_NAME "38.5x35x26" at 1347.5,-940 h25; ASSEMBLY_TOP "10UF" at 1409.5,-821 h25; ASSEMBLY_TOP "20" at 1357.5,-810 h25 r90; ASSEMBLY_TOP "UPN" at 1541.5,-811 h25 r90
C301: PIN_NUMBER "2" at 1510,800.25 h25 r270; PIN_NUMBER "1" at 1510,864.75 h25 r270; PAD_STACK_NAME "C0603a" at 1495,837.5 h50 r270; PAD_STACK_NAME "38.5x35x26" at 1290,832.5 h25 r270; ASSEMBLY_TOP "10UF" at 1469,830.5 h25 r270; ASSEMBLY_TOP "20" at 1500,902.5 h25; ASSEMBLY_TOP "UPN" at 1489,708.5 h25
C302: PIN_NUMBER "2" at 1460,843 h25 r270; PIN_NUMBER "1" at 1460,867 h25 r270; PAD_STACK_NAME "14X14" at 1246,847.4 h50 r270; PAD_STACK_NAME "C0201" at 1467,844 h50 r270; DISPLAY_TOP "QA/XXX" at 1395.6,710 h31; DISPLAY_TOP "14JAN09" at 1383.2,970 h31; DISPLAY_TOP "10XXX09" at 1383.2,670 h31; DISPLAY_TOP "ADI/DML" at 1383.2,1015 h31; ASSEMBLY_TOP "UPN" at 1440,790 h25; ASSEMBLY_TOP "10" at 1450,820 h25; ASSEMBLY_TOP "0.1uF" at 1420,865.2 h25
C303: PIN_NUMBER "2" at 1557.5,805.5 h25 r270; PIN_NUMBER "1" at 1557.5,829.5 h25 r270; PAD_STACK_NAME "14X14" at 1343.5,809.9 h50 r270; PAD_STACK_NAME "C0201" at 1564.5,806.5 h50 r270; DISPLAY_TOP "QA/XXX" at 1493.1,672.5 h31; DISPLAY_TOP "14JAN09" at 1480.7,932.5 h31; DISPLAY_TOP "10XXX09" at 1480.7,632.5 h31; DISPLAY_TOP "ADI/DML" at 1480.7,977.5 h31; ASSEMBLY_TOP "UPN" at 1537.5,752.5 h25; ASSEMBLY_TOP "10" at 1547.5,782.5 h25; ASSEMBLY_TOP "0.1uF" at 1517.5,827.7 h25
C304: PIN_NUMBER "2" at 1605,956.25 h25 r270; PIN_NUMBER "1" at 1605,998.75 h25 r270; PAD_STACK_NAME "C0402" at 1610,982.5 h50 r270; PAD_STACK_NAME "27.5x25x15" at 1361,977.5 h31 r270; ASSEMBLY_TOP "1uF" at 1570.83,973.17 h25 r270; ASSEMBLY_TOP "10" at 1541.06,972.78 h25 r270; ASSEMBLY_TOP "UPN" at 1516.5,976.71 h25 r270
C305: PIN_NUMBER "1" at 1185,940 h25 r270; PIN_NUMBER "2" at 1185,865 h25 r270; PAD_STACK_NAME "51X63" at 970,902.5 h50 r270; PAD_STACK_NAME "C0805H60" at 1162.3,900.5 h50 r270; DISPLAY_TOP "08OCT98" at 1108.2,702.5 h31; DISPLAY_TOP "QA/AA" at 1135,744.1 h31; DISPLAY_TOP "CEXI/CWB" at 1095.8,1077.5 h31; DISPLAY_TOP "21SEP98" at 1111.2,1038.2 h31; ASSEMBLY_TOP "UPN" at 1165,842.5 h25; ASSEMBLY_TOP "10" at 1175,872.5 h25; ASSEMBLY_TOP "47uF" at 1155,937.5 h25
C306: PIN_NUMBER "2" at 1215,765.5 h25 r270; PIN_NUMBER "1" at 1215,789.5 h25 r270; PAD_STACK_NAME "14X14" at 1001,769.9 h50 r270; PAD_STACK_NAME "C0201" at 1222,766.5 h50 r270; DISPLAY_TOP "QA/XXX" at 1150.6,632.5 h31; DISPLAY_TOP "14JAN09" at 1138.2,892.5 h31; DISPLAY_TOP "10XXX09" at 1138.2,592.5 h31; DISPLAY_TOP "ADI/DML" at 1138.2,937.5 h31; ASSEMBLY_TOP "UPN" at 1195,712.5 h25; ASSEMBLY_TOP "10" at 1205,742.5 h25; ASSEMBLY_TOP "0.1uF" at 1175,787.7 h25
C307: PIN_NUMBER "2" at 1255,937 h25 r90; PIN_NUMBER "1" at 1255,913 h25 r90; PAD_STACK_NAME "14X14" at 1289,932.6 h50 r90; PAD_STACK_NAME "C0201" at 1068,936 h50 r90; DISPLAY_TOP "QA/XXX" at 1190.6,1070 h31 r180; DISPLAY_TOP "14JAN09" at 1178.2,810 h31 r180; DISPLAY_TOP "10XXX09" at 1178.2,1110 h31 r180; DISPLAY_TOP "ADI/DML" at 1178.2,765 h31 r180; ASSEMBLY_TOP "UPN" at 1235,990 h25 r180; ASSEMBLY_TOP "10" at 1245,960 h25 r180; ASSEMBLY_TOP "0.1uF" at 1215,914.8 h25 r180
C308: PIN_NUMBER "1" at 1205,1027.5 h25 r180; PIN_NUMBER "2" at 1130,1027.5 h25 r180; PAD_STACK_NAME "51X63" at 1077.5,1152.5 h50 r180; PAD_STACK_NAME "C0805H60" at 1015.5,900.2 h50 r180; DISPLAY_TOP "08OCT98" at 890.7,1027.5 h31 r270; DISPLAY_TOP "QA/AA" at 957.1,1025.5 h31 r270; DISPLAY_TOP "CEXI/CWB" at 1253.3,1027.5 h31 r270; DISPLAY_TOP "21SEP98" at 1226.4,1024.5 h31 r270; ASSEMBLY_TOP "UPN" at 1087.5,1027.5 h25 r270; ASSEMBLY_TOP "10" at 1127.5,1027.5 h25 r270; ASSEMBLY_TOP "47uF" at 1172.5,1027.5 h25 r270
C309: PIN_NUMBER "1" at 1205,1120 h25 r180; PIN_NUMBER "2" at 1130,1120 h25 r180; PAD_STACK_NAME "51X63" at 1077.5,1245 h50 r180; PAD_STACK_NAME "C0805H60" at 1015.5,992.7 h50 r180; DISPLAY_TOP "08OCT98" at 890.7,1120 h31 r270; DISPLAY_TOP "QA/AA" at 957.1,1118 h31 r270; DISPLAY_TOP "CEXI/CWB" at 1253.3,1120 h31 r270; DISPLAY_TOP "21SEP98" at 1226.4,1117 h31 r270; ASSEMBLY_TOP "UPN" at 1087.5,1120 h25 r270; ASSEMBLY_TOP "10" at 1127.5,1120 h25 r270; ASSEMBLY_TOP "47uF" at 1172.5,1120 h25 r270